# KiCad board LegionKeys_BeforeRouting.kicad_pcb
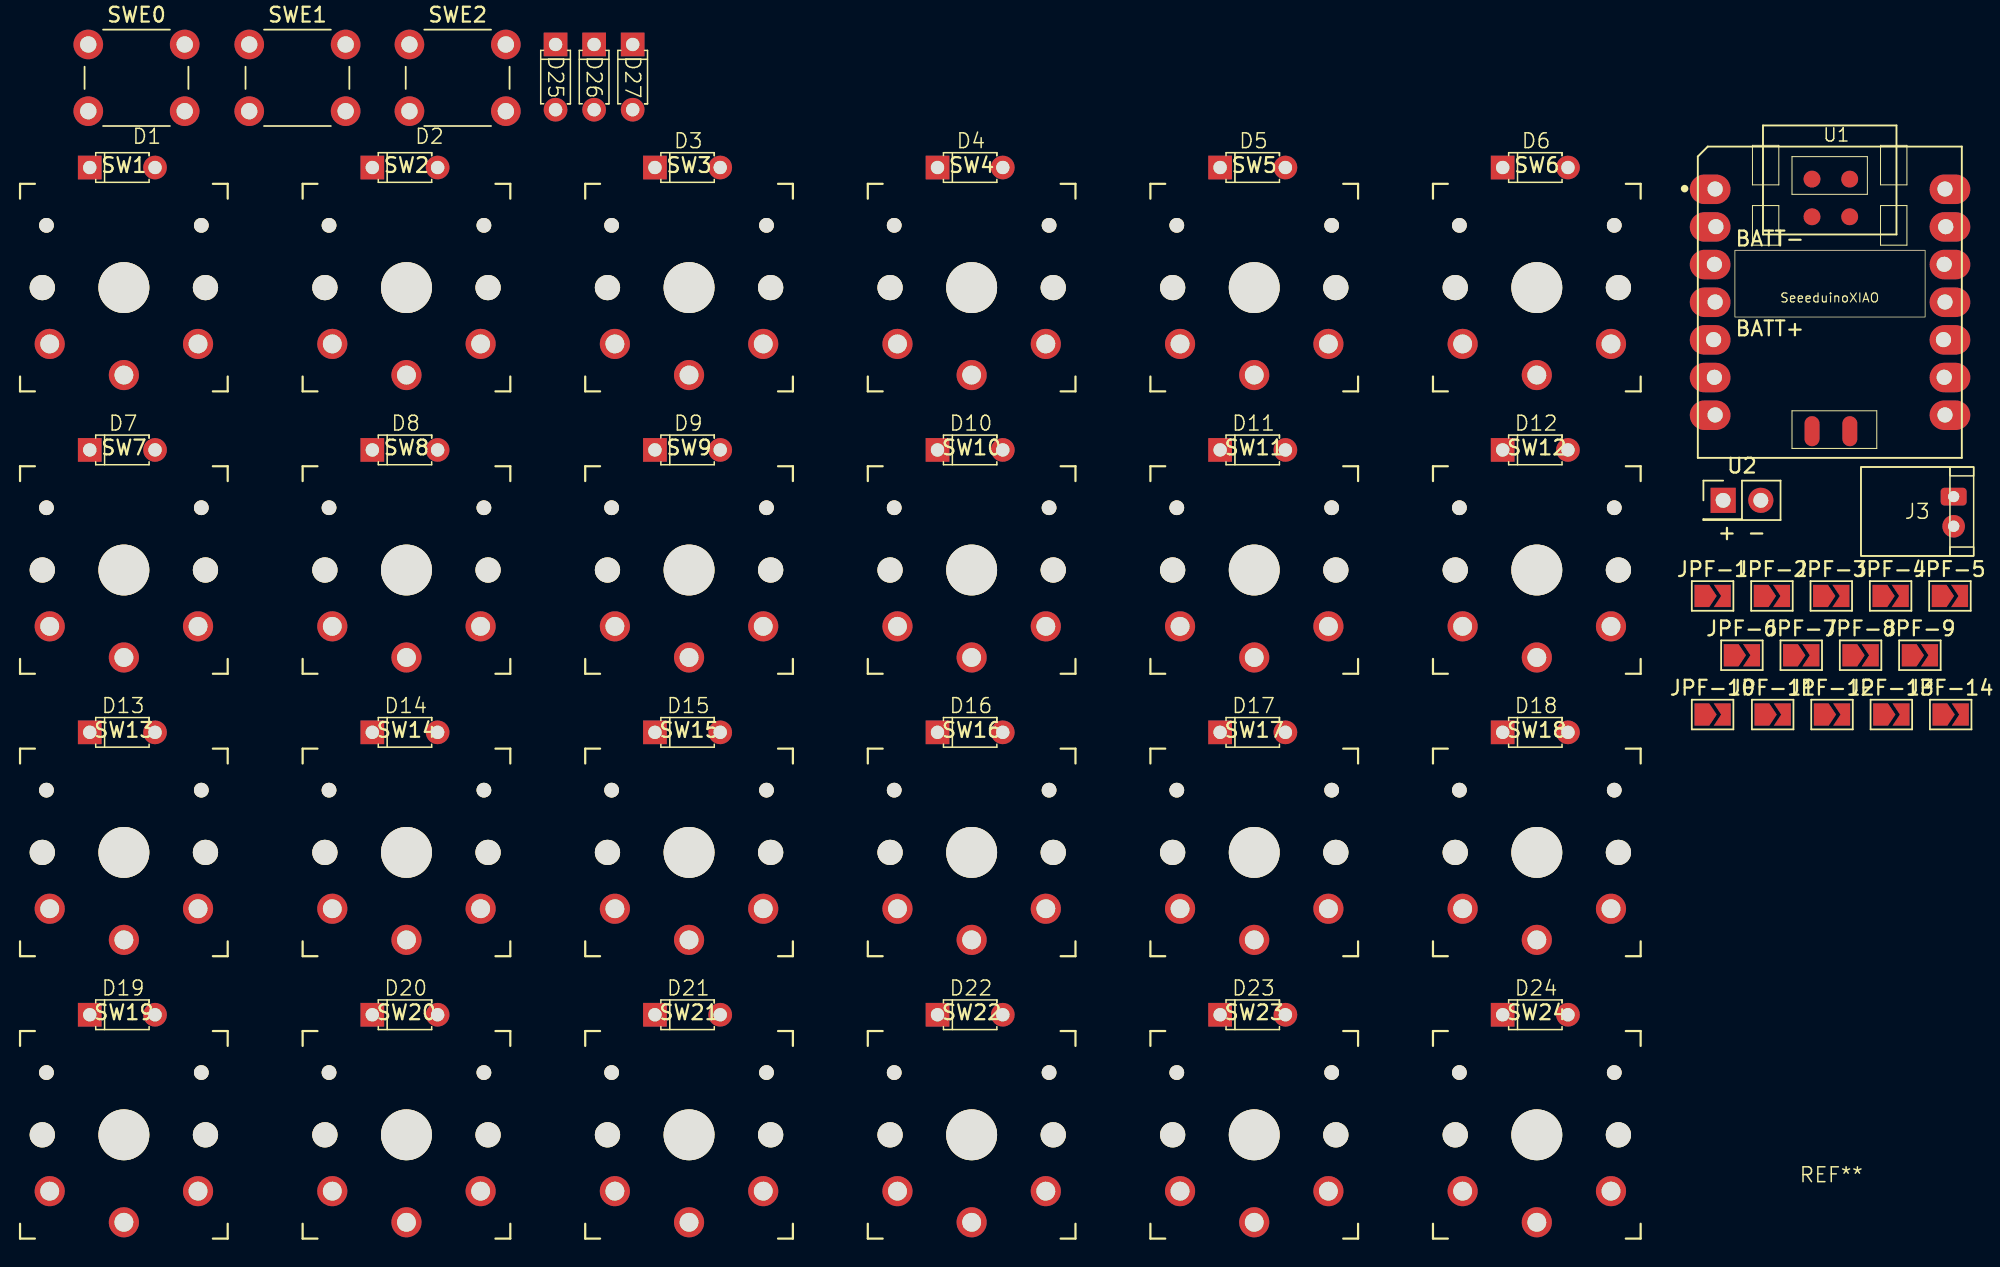
[diagram p0: board, top side]
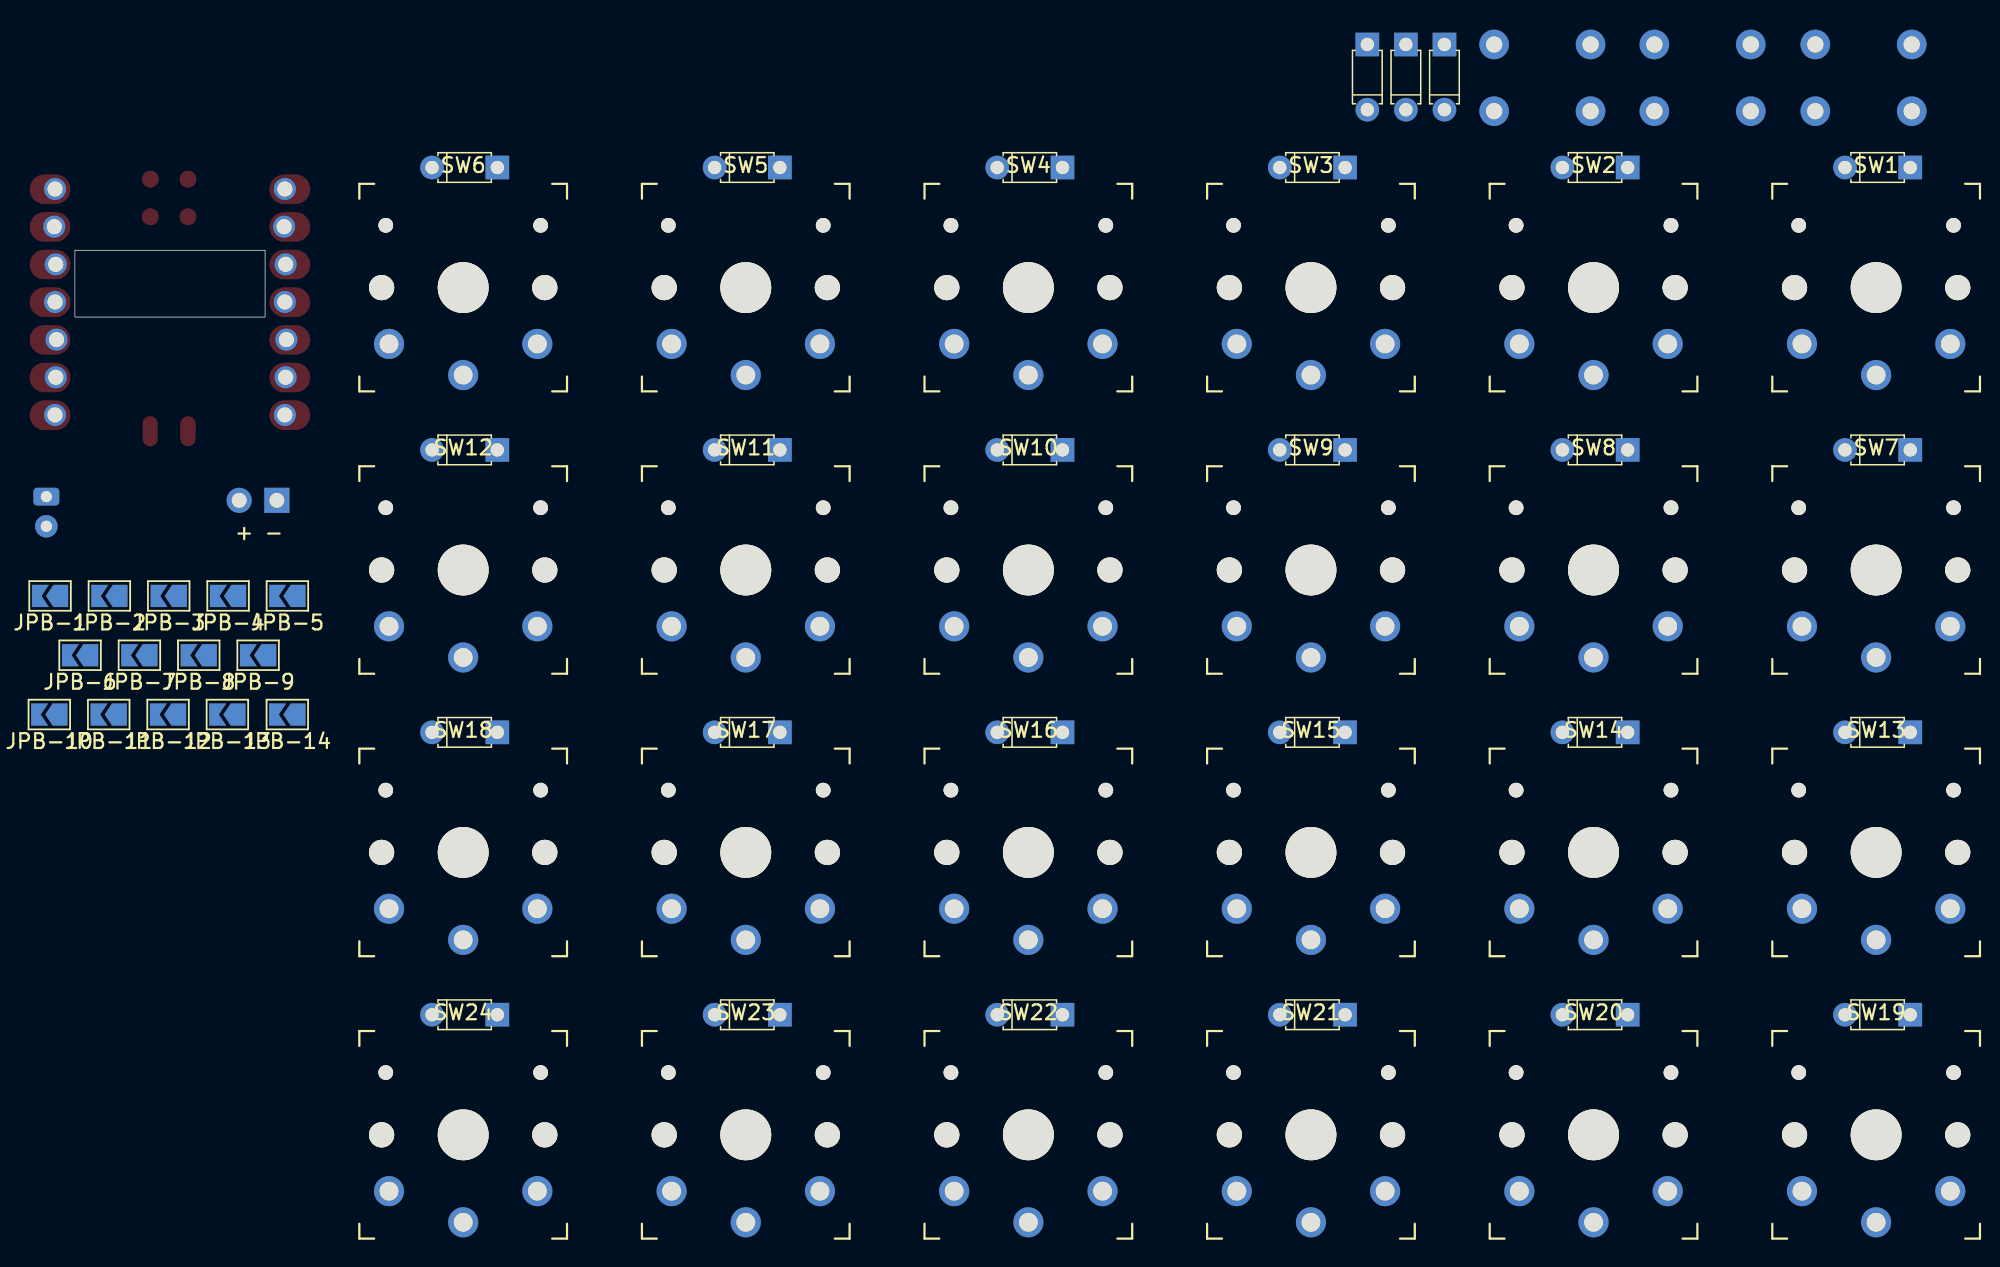
[diagram p1: board, bottom side, seen from below]

Outline 12.82 x 4.5 mm; copper layers: Top, Bottom. Coordinates in mm from the lower left corner of the outline.

## Placement (name value [footprint] x y rotation side)
D1  D  [1N4148_Diode]  -108.7 10.09 0 top
D2  D  [1N4148_Diode]  -89.65 10.09 0 top
D3  D  [1N4148_Diode]  -70.6 10.09 0 top
D4  D  [1N4148_Diode]  -51.55 10.09 0 top
D5  D  [1N4148_Diode]  -32.5 10.09 0 top
D6  D  [1N4148_Diode]  -13.45 10.09 0 top
D7  D  [1N4148_Diode]  -108.7 -8.96 0 top
D8  D  [1N4148_Diode]  -89.65 -8.96 0 top
D9  D  [1N4148_Diode]  -70.6 -8.96 0 top
D10  D  [1N4148_Diode]  -51.55 -8.96 0 top
D11  D  [1N4148_Diode]  -32.5 -8.96 0 top
D12  D  [1N4148_Diode]  -13.45 -8.96 0 top
D13  D  [1N4148_Diode]  -108.7 -28.01 0 top
D14  D  [1N4148_Diode]  -89.65 -28.01 0 top
D15  D  [1N4148_Diode]  -70.6 -28.01 0 top
D16  D  [1N4148_Diode]  -51.55 -28.01 0 top
D17  D  [1N4148_Diode]  -32.5 -28.01 0 top
D18  D  [1N4148_Diode]  -13.45 -28.01 0 top
D19  D  [1N4148_Diode]  -108.7 -47.06 0 top
D20  D  [1N4148_Diode]  -89.65 -47.06 0 top
D21  D  [1N4148_Diode]  -70.6 -47.06 0 top
D22  D  [1N4148_Diode]  -51.55 -47.06 0 top
D23  D  [1N4148_Diode]  -32.5 -47.06 0 top
D24  D  [1N4148_Diode]  -13.45 -47.06 0 top
D25  D  [1N4148_Diode]  -79.5 16.19 270 top
D26  D  [1N4148_Diode]  -76.9 16.19 270 top
D27  D  [1N4148_Diode]  -74.3 16.19 270 top
J3  Conn_01x02_Socket  [JST_2P_PH_SideMount]  14.75 -13.11 0 top
JPB-1  Jumper  [SolderJumper-2_P1.3mm_Open_TrianglePad1.0x1.5mm]  14.5 -18.81 0 bottom
JPB-2  Jumper  [SolderJumper-2_P1.3mm_Open_TrianglePad1.0x1.5mm]  10.5 -18.81 0 bottom
JPB-3  Jumper  [SolderJumper-2_P1.3mm_Open_TrianglePad1.0x1.5mm]  6.5 -18.81 0 bottom
JPB-4  Jumper  [SolderJumper-2_P1.3mm_Open_TrianglePad1.0x1.5mm]  2.5 -18.81 0 bottom
JPB-5  Jumper  [SolderJumper-2_P1.3mm_Open_TrianglePad1.0x1.5mm]  -1.5 -18.81 0 bottom
JPB-6  Jumper  [SolderJumper-2_P1.3mm_Open_TrianglePad1.0x1.5mm]  12.47 -22.81 0 bottom
JPB-7  Jumper  [SolderJumper-2_P1.3mm_Open_TrianglePad1.0x1.5mm]  8.47 -22.81 0 bottom
JPB-8  Jumper  [SolderJumper-2_P1.3mm_Open_TrianglePad1.0x1.5mm]  4.47 -22.81 0 bottom
JPB-9  Jumper  [SolderJumper-2_P1.3mm_Open_TrianglePad1.0x1.5mm]  0.47 -22.81 0 bottom
JPB-10  Jumper  [SolderJumper-2_P1.3mm_Open_TrianglePad1.0x1.5mm]  14.55 -26.81 0 bottom
JPB-11  Jumper  [SolderJumper-2_P1.3mm_Open_TrianglePad1.0x1.5mm]  10.54 -26.81 0 bottom
JPB-12  Jumper  [SolderJumper-2_P1.3mm_Open_TrianglePad1.0x1.5mm]  6.54 -26.81 0 bottom
JPB-13  Jumper  [SolderJumper-2_P1.3mm_Open_TrianglePad1.0x1.5mm]  2.54 -26.81 0 bottom
JPB-14  Jumper  [SolderJumper-2_P1.3mm_Open_TrianglePad1.0x1.5mm]  -1.5 -26.81 0 bottom
JPF-1  Jumper  [SolderJumper-2_P1.3mm_Open_TrianglePad1.0x1.5mm]  -1.5 -18.81 0 top
JPF-2  Jumper  [SolderJumper-2_P1.3mm_Open_TrianglePad1.0x1.5mm]  2.5 -18.81 0 top
JPF-3  Jumper  [SolderJumper-2_P1.3mm_Open_TrianglePad1.0x1.5mm]  6.5 -18.81 0 top
JPF-4  Jumper  [SolderJumper-2_P1.3mm_Open_TrianglePad1.0x1.5mm]  10.5 -18.81 0 top
JPF-5  Jumper  [SolderJumper-2_P1.3mm_Open_TrianglePad1.0x1.5mm]  14.5 -18.81 0 top
JPF-6  Jumper  [SolderJumper-2_P1.3mm_Open_TrianglePad1.0x1.5mm]  0.47 -22.81 0 top
JPF-7  Jumper  [SolderJumper-2_P1.3mm_Open_TrianglePad1.0x1.5mm]  4.47 -22.81 0 top
JPF-8  Jumper  [SolderJumper-2_P1.3mm_Open_TrianglePad1.0x1.5mm]  8.47 -22.81 0 top
JPF-9  Jumper  [SolderJumper-2_P1.3mm_Open_TrianglePad1.0x1.5mm]  12.47 -22.81 0 top
JPF-10  Jumper  [SolderJumper-2_P1.3mm_Open_TrianglePad1.0x1.5mm]  -1.5 -26.81 0 top
JPF-11  Jumper  [SolderJumper-2_P1.3mm_Open_TrianglePad1.0x1.5mm]  2.55 -26.81 0 top
JPF-12  Jumper  [SolderJumper-2_P1.3mm_Open_TrianglePad1.0x1.5mm]  6.55 -26.81 0 top
JPF-13  Jumper  [SolderJumper-2_P1.3mm_Open_TrianglePad1.0x1.5mm]  10.55 -26.81 0 top
JPF-14  Jumper  [SolderJumper-2_P1.3mm_Open_TrianglePad1.0x1.5mm]  14.55 -26.81 0 top
REF**  -  [300mAh_Battery]  6.5 -46.36 0 top
SW1  SW_Push  [SW_PG1350_reversible]  -108.6 1.99 0 top
SW2  SW_Push  [SW_PG1350_reversible]  -89.55 1.99 0 top
SW3  SW_Push  [SW_PG1350_reversible]  -70.5 1.99 0 top
SW4  SW_Push  [SW_PG1350_reversible]  -51.45 1.99 0 top
SW5  SW_Push  [SW_PG1350_reversible]  -32.4 1.99 0 top
SW6  SW_Push  [SW_PG1350_reversible]  -13.35 1.99 0 top
SW7  SW_Push  [SW_PG1350_reversible]  -108.6 -17.06 0 top
SW8  SW_Push  [SW_PG1350_reversible]  -89.55 -17.06 0 top
SW9  SW_Push  [SW_PG1350_reversible]  -70.5 -17.06 0 top
SW10  SW_Push  [SW_PG1350_reversible]  -51.45 -17.06 0 top
SW11  SW_Push  [SW_PG1350_reversible]  -32.4 -17.06 0 top
SW12  SW_Push  [SW_PG1350_reversible]  -13.35 -17.06 0 top
SW13  SW_Push  [SW_PG1350_reversible]  -108.6 -36.11 0 top
SW14  SW_Push  [SW_PG1350_reversible]  -89.55 -36.11 0 top
SW15  SW_Push  [SW_PG1350_reversible]  -70.5 -36.11 0 top
SW16  SW_Push  [SW_PG1350_reversible]  -51.45 -36.11 0 top
SW17  SW_Push  [SW_PG1350_reversible]  -32.4 -36.11 0 top
SW18  SW_Push  [SW_PG1350_reversible]  -13.35 -36.11 0 top
SW19  SW_Push  [SW_PG1350_reversible]  -108.6 -55.16 0 top
SW20  SW_Push  [SW_PG1350_reversible]  -89.55 -55.16 0 top
SW21  SW_Push  [SW_PG1350_reversible]  -70.5 -55.16 0 top
SW22  SW_Push  [SW_PG1350_reversible]  -51.45 -55.16 0 top
SW23  SW_Push  [SW_PG1350_reversible]  -32.4 -55.16 0 top
SW24  SW_Push  [SW_PG1350_reversible]  -13.35 -55.16 0 top
SWE0  SW_Push  [SW_PUSH_6mm]  -111 18.39 0 top
SWE1  SW_Push  [SW_PUSH_6mm]  -100.15 18.39 0 top
SWE2  SW_Push  [SW_PUSH_6mm]  -89.35 18.39 0 top
U1  SeeeduinoXIAO  [Seeeduino XIAO-MOUDLE14P-2.54-21X17.8MM_ThroughHole]  -2.5 -9.5 0 top
U2  ~  [PinHeader_2x01_P2.54mm_Vertical]  -0.79 -12.36 0 top

## Library data of the parts
D1-D27 = -: Description: Diode; Sim.Pins: 1=K 2=A; ki_fp_filters: TO-???* *_Diode_* *SingleDiode* D_*
J3 = -: Description: Generic connector, single row, 01x02, script generated; ki_fp_filters: Connector*:*_1x??_*
JPB-1-JPB-14 JPF-1-JPF-14 = -: Description: Solder Jumper, 2-pole, open; ki_fp_filters: SolderJumper*Open*
SW1-SW24 SWE0-SWE2 = -: Description: Push button switch, generic, two pins

## Footprints (pads in the part's own frame, mm; a bottom-side part is the same pattern mirrored in y, then rotated)
1N4148_Diode
  rect 1.6x1.6 hole 0.9: 1(-2.2,0)
  round 1.6 hole 0.9: 2(2.2,0)
JST_2P_PH_SideMount
  rrect 1.75x1.2 hole 0.75: 1(0,1)
  round 1.524 hole 0.762: 2(0,-1)
PinHeader_2x01_P2.54mm_Vertical
  rect 1.7x1.7 hole 1: 1(0,0)
  oval 1.7x1.7 hole 1: 2(2.54,0)
Seeeduino XIAO-MOUDLE14P-2.54-21X17.8MM_ThroughHole
  oval 2.748x1.999 smd: 1(0.833,18.118) 2(0.833,15.578) 3(0.833,13.038) 4(0.833,10.498) 5(0.833,7.958) 6(0.833,5.418) 7(0.833,2.878) 8(16.998,2.878) 9(16.998,5.418) 10(16.998,7.958) 11(16.998,10.498) 12(16.998,13.038) 13(16.998,15.578) 14(16.998,18.118)
  round 1.5 hole 1.02: 1(1.168,18.136) 2(1.219,15.596) 3(1.118,13.056) 4(1.168,10.516) 5(1.067,7.976) 6(1.118,5.436) 7(1.168,2.896) 8(16.662,2.896) 9(16.612,5.436) 10(16.561,7.976) 11(16.662,10.516) 12(16.612,13.056) 13(16.713,15.596) 14(16.662,18.136)
  oval 1.016x2.032 smd: 15(7.7,1.8) 16(10.25,1.8)
  round 1.143 smd: 17(7.699,18.804) 18(10.239,18.804) 19(7.699,16.264) 20(10.239,16.264)
SolderJumper-2_P1.3mm_Open_TrianglePad1.0x1.5mm
  custom 1.5x1.5 smd: 1(-0.725,0)
  custom 1.15x1.5 smd: 2(0.725,0)
SW_PG1350_reversible
  round 1.702 hole 1.702 unplated: (-5.5,0) (5.5,0)
  round 0.991 hole 0.991 unplated: (-5.22,4.2) (5.22,4.2)
  round 3.429 hole 3.429 unplated: (0,0)
  round 2.032 hole 1.27: 1(0,-5.9) 2(-5,-3.8) 2(5,-3.8)
SW_PUSH_6mm
  round 2 hole 1.1: 1(0,0) 1(6.5,0) 2(0,-4.5) 2(6.5,-4.5)

## Nets
/COL0: JPB-6.1 JPF-1.1 SW1.1 SW7.1 SW13.1 SW19.1 SWE0.1
/COL1: JPB-7.1 JPF-2.1 SW2.1 SW8.1 SW14.1 SW20.1 SWE1.1
/COL2: JPB-8.2 JPF-3.1 SW3.1 SW9.1 SW15.1 SW21.1 SWE2.1
/COL3: JPB-9.2 JPF-4.1 SW4.1 SW10.1 SW16.1 SW22.1
/COL4: JPB-10.2 JPF-5.1 SW5.1 SW11.1 SW17.1 SW23.1
/COL5: JPB-11.2 JPF-6.1 SW6.1 SW12.1 SW18.1 SW24.1
/ROW0: D1.1 D2.1 D3.1 D4.1 D5.1 D6.1 JPB-1.1 JPF-7.1
/ROW1: D7.1 D8.1 D9.1 D10.1 D11.1 D12.1 JPB-2.1 JPF-8.2
/ROW2: D13.1 D15.1 D17.1 D19.1 D21.1 D23.1 JPB-3.1 JPF-9.2
/ROW3: D14.1 D16.1 D18.1 D20.1 D22.1 D24.1 JPB-4.1 JPF-10.2
/ROW4: D25.1 D26.1 D27.1 JPB-5.1 JPF-11.2
Net-(D1-A): D1.2 SW1.2
Net-(D2-A): D2.2 SW2.2
Net-(D3-A): D3.2 SW3.2
Net-(D4-A): D4.2 SW4.2
Net-(D5-A): D5.2 SW5.2
Net-(D6-A): D6.2 SW6.2
Net-(D7-A): D7.2 SW7.2
Net-(D8-A): D8.2 SW8.2
Net-(D9-A): D9.2 SW9.2
Net-(D10-A): D10.2 SW10.2
Net-(D11-A): D11.2 SW11.2
Net-(D12-A): D12.2 SW12.2
Net-(D13-A): D13.2 SW13.2
Net-(D14-A): D14.2 SW19.2
Net-(D15-A): D15.2 SW14.2
Net-(D16-A): D16.2 SW20.2
Net-(D17-A): D17.2 SW15.2
Net-(D18-A): D18.2 SW21.2
Net-(D19-A): D19.2 SW16.2
Net-(D20-A): D20.2 SW22.2
Net-(D21-A): D21.2 SW17.2
Net-(D22-A): D22.2 SW23.2
Net-(D23-A): D23.2 SW18.2
Net-(D24-A): D24.2 SW24.2
Net-(D25-A): D25.2 SWE0.2
Net-(D26-A): D26.2 SWE1.2
Net-(D27-A): D27.2 SWE2.2
Net-(J3-Pin_1): J3.1 U2.1
Net-(J3-Pin_2): J3.2 U2.2
Net-(JPB-1-B): JPB-1.2 JPF-1.2 U1.1
Net-(JPB-2-B): JPB-2.2 JPF-2.2 U1.2
Net-(JPB-3-B): JPB-3.2 JPF-3.2 U1.3
Net-(JPB-4-B): JPB-4.2 JPF-4.2 U1.4
Net-(JPB-5-B): JPB-5.2 JPF-5.2 U1.5
Net-(JPB-6-B): JPB-6.2 JPF-6.2 U1.6
Net-(JPB-7-B): JPB-7.2 JPF-7.2 U1.7
Net-(JPB-8-A): JPB-8.1 JPF-8.1 U1.8
Net-(JPB-9-A): JPB-9.1 JPF-9.1 U1.9
Net-(JPB-10-A): JPB-10.1 JPF-10.1 U1.10
Net-(JPB-11-A): JPB-11.1 JPF-11.1 U1.11
Net-(JPB-12-A): JPB-12.1 JPF-12.1 U1.12
Net-(JPB-13-A): JPB-13.1 JPF-13.1 U1.13
Net-(JPB-14-A): JPB-14.1 JPF-14.1 U1.14

Pads without a net: JPB-12 2; JPB-13 2; JPB-14 2; JPF-12 2; JPF-13 2; JPF-14 2; U1 15 16 17 18 19 20

## Text on the board
B.Silkscreen: + -
F.Silkscreen: + -
